# Altium PCB MKontr.PcbDoc (part 3 of 3)
Units mm, origin at the board's own origin, x right, y up, seen from the top; angles counter-clockwise.
Board outline 160 x 125 mm, 2 copper layers (Top Layer, Bottom Layer), stack 1.571 mm thick; 243 components, 241 nets, 966 pads, 239 vias.
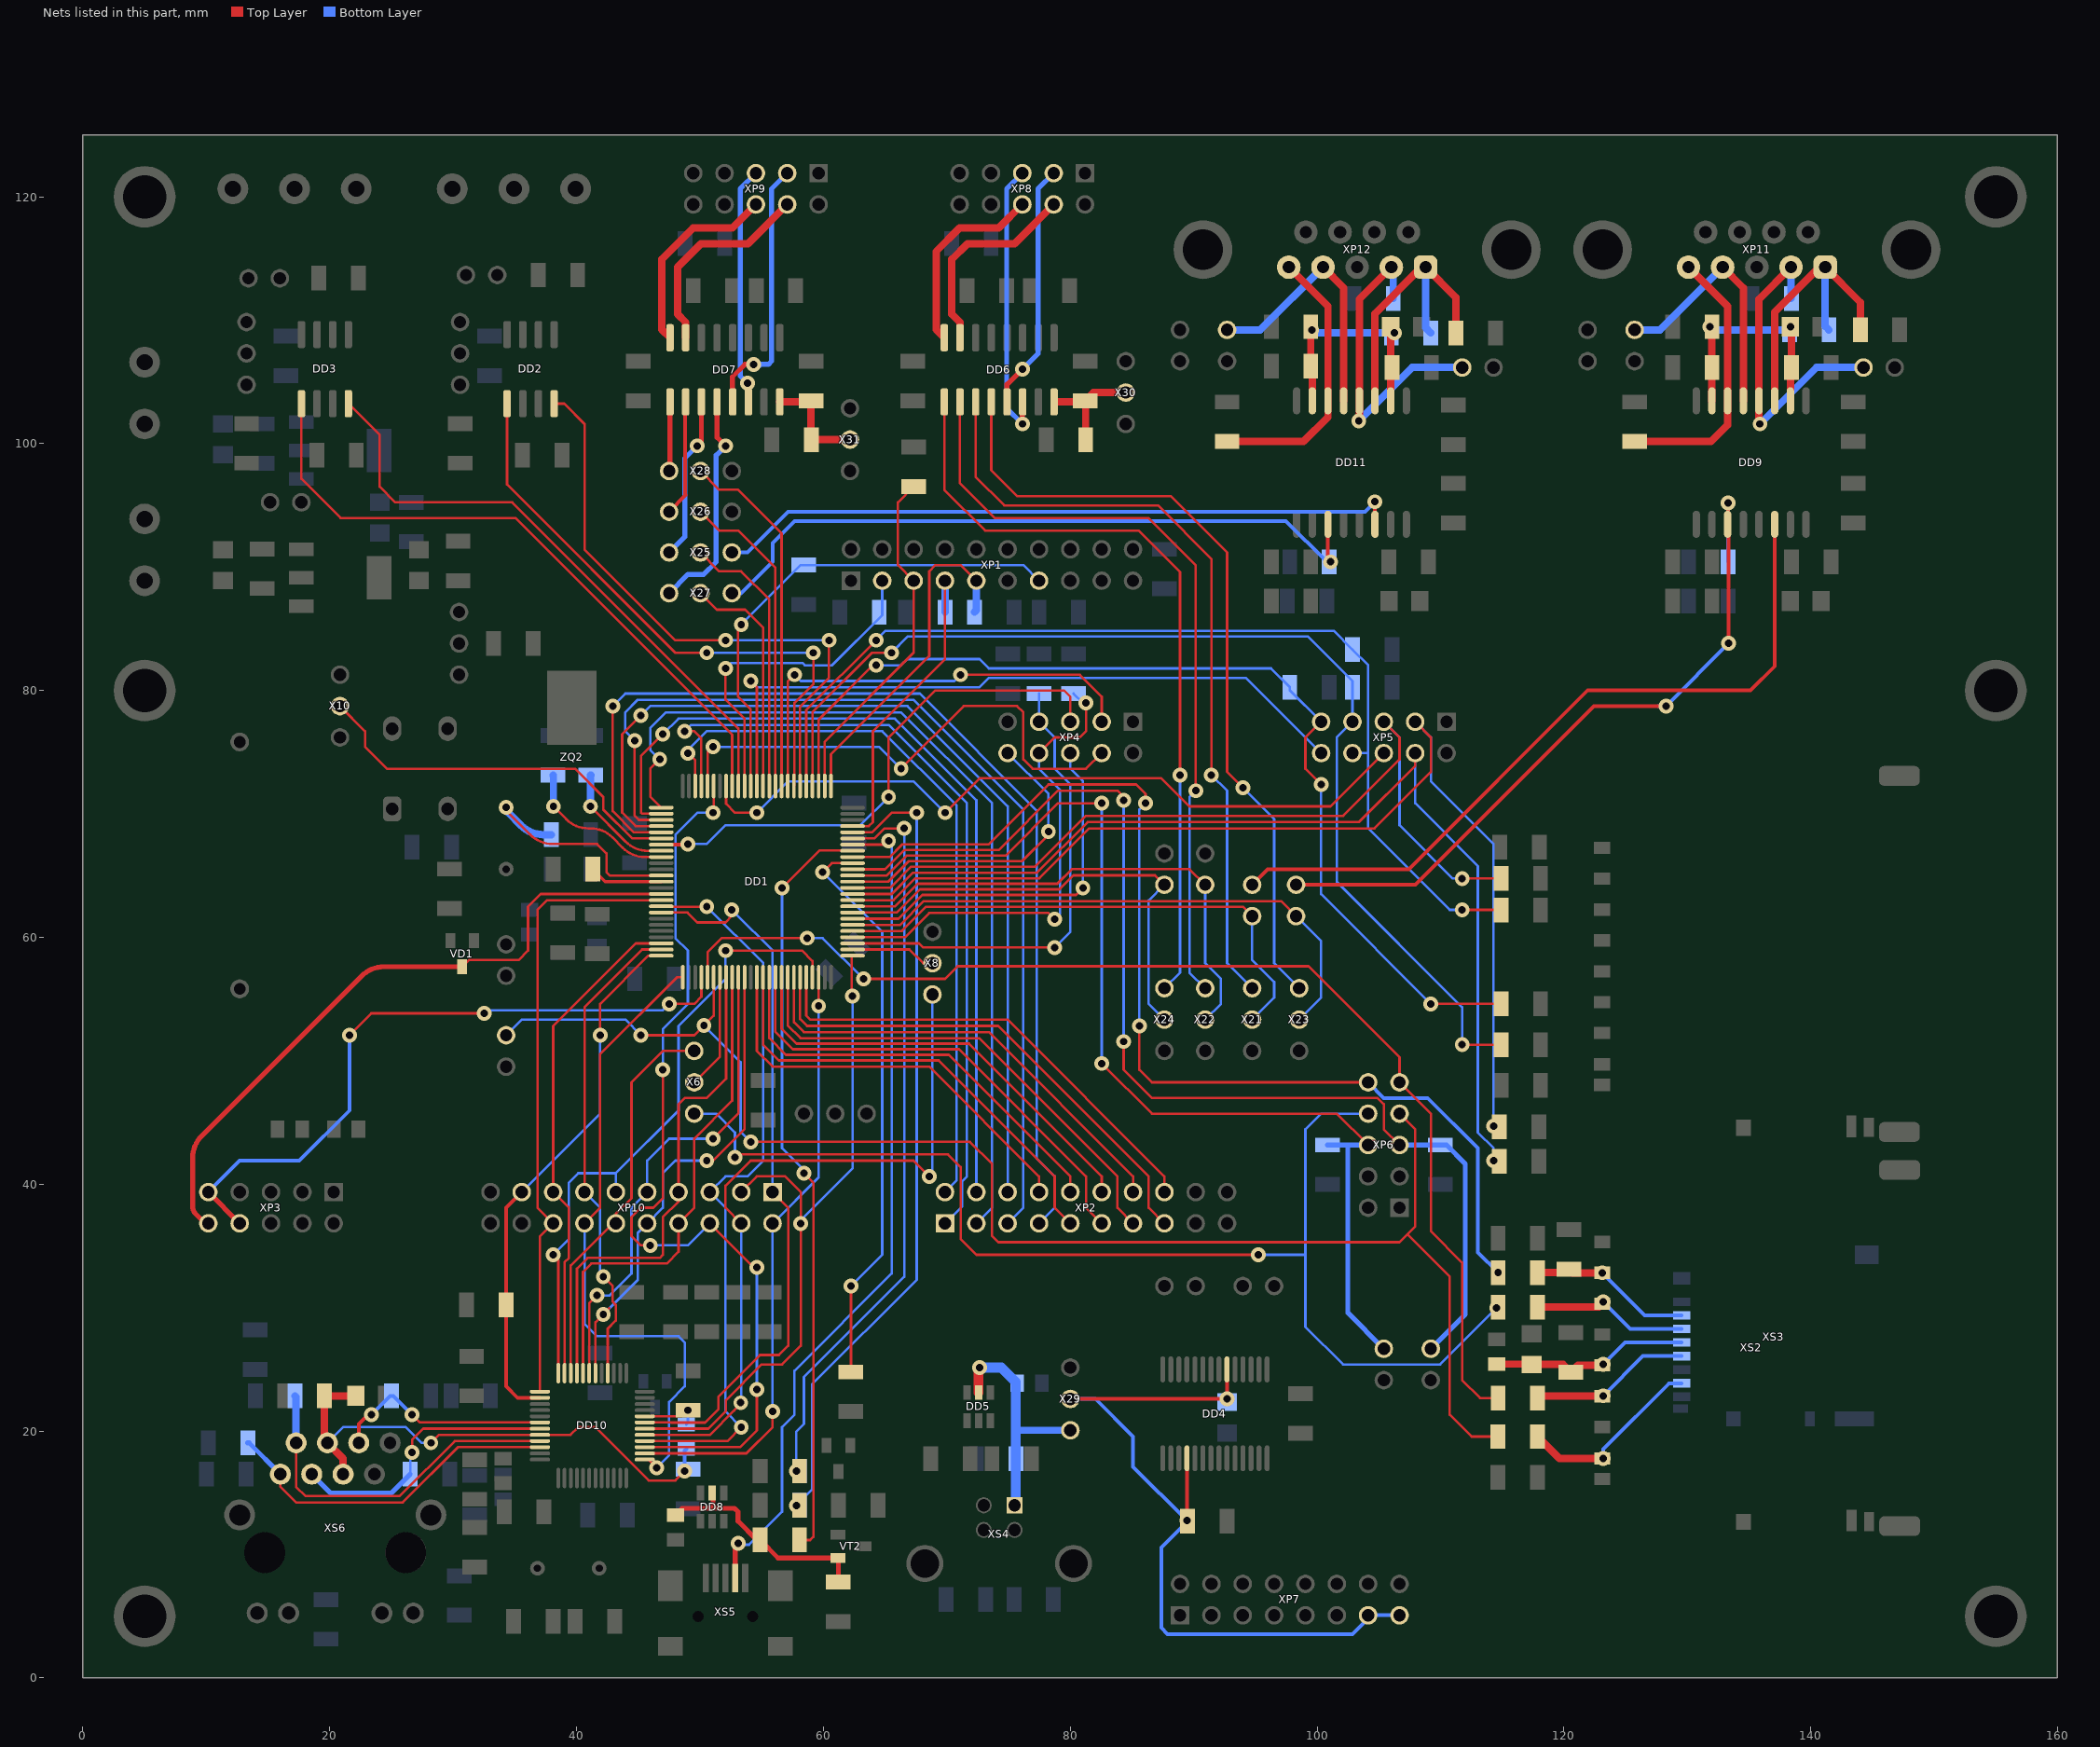
[diagram p3: the nets of this part, all layers, seen from the top]

## Via types
v1: diameter 1.2, hole 0.6, Top Layer to Bottom Layer, 239 vias

## Nets (pads, with @x,y where several pads share a name; then routed paths per layer and width w, separated by ;. In a path a pad name is that pad's centre, name@x,y a point inside that pad or via, vN(x,y) a via of type N, cw(c..) or ccw(c..) an arc to the next point about the centre after c; other vN are vias at no path point) (continued)
OS32_IN: C15.1 DD1.8 ZQ2.1 | length 9.7
  Top Layer w0.2: ZQ2.1@41.124,70.612 43.976,67.76 ccw(c45.772,69.556) 45.772,67.016 DD1.8@46.86,67.016
  Bottom Layer w0.6: ZQ2.1@41.124,70.612 41.124,73.094 cw(c41.206,73.094) C15.1@41.148,73.152
OS32_OUT: C16.1 DD1.9 ZQ2.2 | length 12.7
  Top Layer w0.2: ZQ2.2@38.124,70.612 39.158,69.578 ccw(c40.954,71.374) 40.954,68.834 41.148,68.834 cw(c41.148,66.381) 42.882,68.116 43.738,67.26 ccw(c45.534,69.056) 45.534,66.516 DD1.9@46.86,66.516
  Bottom Layer w0.6: C16.1@38.1,73.152 cw(c38.042,73.094) 38.124,73.094 ZQ2.2@38.124,70.612
OSC_IN: C9.2 DD1.12 ZQ1.2 | length 20.3
  Top Layer w0.2: ZQ1.2@34.29,70.532 ccw(c34.903,70.532) 34.47,70.098 36.26,68.308 ccw(c38.056,70.104) 38.056,67.564 41.656,67.564 42.418,66.802 42.418,65.278 42.68,65.016 DD1.12@46.86,65.016
  Bottom Layer w0.6: ZQ1.2@34.29,70.532 ccw(c34.903,70.532) 34.47,70.098 35.498,69.07 ccw(c37.294,70.866) 37.294,68.326 C9.2@37.948,68.326
OSC_OUT: DD1.13 R9.2 | length 6
  Top Layer w0.3: R9.2@41.3,65.532 42.316,64.516 DD1.13@46.86,64.516
PA0: DD1.23 DD10.23 XP10.15 | length 40.3
  Top Layer w0.2: DD10.23@39.025,24.697 39.025,33.691 39.37,34.036 39.37,38.1 XP10.15@38.1,39.37 38.1,52.832 44.784,59.516 DD1.23@46.86,59.516
PA1: DD1.24 DD10.16 XP10.13 | length 39.1
  Top Layer w0.2: XP10.13@40.64,39.37 40.64,42.418 40.64,54.356 45.3,59.016 DD1.24@46.86,59.016 ; v1(42.164,32.512) 42.926,31.75 42.926,30.48 43.18,30.226 43.18,28.956 42.525,28.301 DD10.16@42.525,24.697
  Bottom Layer w0.2: XP10.13@40.64,39.37 41.91,38.1 41.91,33.02 42.164,32.766 v1(42.164,32.512)
PA2: DD1.25 DD10.26 R72.1 XP10.17 | length 43.8
  Top Layer w0.2: v1(41.91,52.07) 41.91,54.61 45.816,58.516 DD1.25@46.86,58.516
  Top Layer w0.3: XP10.17@35.56,39.37 34.29,38.1 R72.1@34.29,30.226 34.29,23.622 35.215,22.697 DD10.26@37.025,22.697
  Bottom Layer w0.2: XP10.17@35.56,39.37 41.91,45.72 v1(41.91,52.07)
PA3: DD1.26 DD10.1 XP10.14 | length 52.8
  Top Layer w0.2: XP10.14@40.64,36.83 41.91,38.1 41.91,50.546 48.13,56.766 DD1.26@48.61,56.766 ; DD10.1@45.525,17.697 45.803,17.697 v1(46.482,17.018)
  Bottom Layer w0.2: XP10.14@40.64,36.83 40.64,28.702 41.656,27.686 48.26,27.686 48.768,27.178 48.768,23.622 47.498,22.352 47.498,18.034 v1(46.482,17.018)
PA4: DD1.29 XP3.8 XP3.9 | length 55.2
  Top Layer w0.2: v1(21.59,52.07) 23.368,53.848 v1(32.512,53.848) ; v1(47.498,54.61) 49.53,54.61 50.11,55.19 DD1.29@50.11,56.766
  Top Layer w0.4: XP3.9@10.16,39.37 XP3.8@12.7,36.83
  Bottom Layer w0.2: v1(32.512,53.848) 32.766,54.102 46.99,54.102 v1(47.498,54.61)
  Bottom Layer w0.3: XP3.9@10.16,39.37 12.7,41.91 17.526,41.91 21.59,45.974 v1(21.59,52.07)
PA5: DD1.30 R31.2 XP6.9 | length 95.2
  Top Layer w0.2: DD1.30@50.61,56.766 50.61,58.812 51.742,59.944 v1(58.674,59.944) ; v1(63.246,56.642) 69.85,56.642 70.866,57.658 99.314,57.658 106.68,50.292 XP6.9@106.68,48.26 109.22,45.72 109.22,36.195 111.76,33.655 111.76,24.13 113.205,22.685 R31.2@114.672,22.685
  Bottom Layer w0.2: v1(58.674,59.944) 59.944,59.944 v1(63.246,56.642)
PA6: DD1.31 R32.2 X3.1 XP6.7 | length 124.1
  Top Layer w0.2: v1(45.212,52.07) 49.53,52.07 v1(50.32,52.86) 51.11,53.65 DD1.31@51.11,56.766 ; v1(54.102,43.434) 71.882,43.434 73.66,41.656 73.66,35.814 74.168,35.306 106.68,35.306 107.315,35.941 ; XP6.7@106.68,45.72 107.95,44.45 107.95,36.576 107.315,35.941 ; R32.2@114.656,19.558 112.522,19.558 110.744,21.336 110.744,32.512 107.315,35.941
  Bottom Layer w0.2: X3.1@34.29,52.07 35.56,53.34 43.942,53.34 v1(45.212,52.07) ; v1(50.32,52.86) 53.282,49.898 53.282,44.254 v1(54.102,43.434)
PA7: DD1.32 X6.2 | length 9.4
  Top Layer w0.2: X6.2@49.53,48.26 51.61,50.34 DD1.32@51.61,56.766
PA7_: R30.2 X6.1 XP6.8 | length 99.3
  Top Layer w0.2: v1(52.832,42.164) 53.086,42.418 70.104,42.418 71.12,41.402 71.12,35.56 72.39,34.29 v1(95.25,34.29)
  Bottom Layer w0.2: X6.1@49.53,45.72 51.308,45.72 52.832,44.196 v1(52.832,42.164) ; v1(95.25,34.29) 99.06,34.29 ; XP6.8@104.14,45.72 100.33,45.72 99.06,44.45 99.06,34.29 ; v1(114.554,29.972) 109.982,25.4 102.108,25.4 99.06,28.448 99.06,34.29
PA8: DD1.67 R29.2 XP6.10 | length 89.9
  Top Layer w0.2: DD1.67@62.36,66.516 65.358,66.516 66.37,67.528 73.37,67.528 78.232,72.39 85.344,72.39 86.106,71.628 v1(86.106,70.866) ; v1(85.598,52.832) 85.598,49.276 86.614,48.26 XP6.10@104.14,48.26
  Bottom Layer w0.2: v1(85.598,52.832) 85.598,70.358 v1(86.106,70.866)
  Bottom Layer w0.3: XP6.10@104.14,48.26 105.41,46.99 108.966,46.99 113.03,42.926 113.03,34.487 v1(114.672,32.845)
PA9: DD1.68 R47.2 | length 61.9
  Top Layer w0.2: v1(56.642,64.008) 59.69,67.056 62.32,67.056 DD1.68@62.36,67.016 ; R47.2@58.064,11.176 58.928,11.176 59.182,11.43 59.182,40.132 v1(58.42,40.894)
  Bottom Layer w0.2: v1(56.642,64.008) 56.642,42.926 58.42,41.148 v1(58.42,40.894)
PA10: DD1.69 XS5.4 | length 69.7
  Top Layer w0.2: DD1.69@62.36,67.516 64.976,67.516 v1(65.278,67.818)
  Top Layer w0.4: XS5.4@52.859,8.08 52.859,10.695 v1(53.086,10.922)
  Bottom Layer w0.2: v1@52.782,10.8 v1@53,10.8 ; v1@52.873,10.709 53,10.582 v1@53,10.8 ; v1(53.086,10.922) 53.022,10.922 53,10.9 v1@53,10.8 ; v1(65.278,67.818) 65.532,67.564 65.532,32.766 57.658,24.892 57.658,21.336 56.642,20.32 56.642,13.462 53.98,10.8 v1@53,10.8
PA11: C33.2 DD1.70 R44.2 | length 60.2
  Top Layer w0.2: DD1.70@62.36,68.016 64.133,68.016 64.95,68.834 v1(66.548,68.834)
  Bottom Layer w0.2: v1(57.81,16.764) 57.81,19.964 58.42,20.574 58.42,24.384 66.548,32.512 v1(66.548,68.834)
PA12: C32.2 DD1.71 R45.2 | length 66.5
  Top Layer w0.2: DD1.71@62.36,68.516 63.944,68.516 65.532,70.104 v1(67.564,70.104)
  Bottom Layer w0.2: v1(57.81,13.97) 59.08,15.24 59.08,23.774 67.564,32.258 v1(67.564,70.104) v1@67.056,70.104
PA13: DD1.72 R5.1 XP1.7 | length 26.3
  Top Layer w0.2: DD1.72@62.36,69.016 63.682,69.016 64.008,69.342 64.008,76.708 69.85,82.55 XP1.7@69.85,88.9
  Bottom Layer w0.6: R5.1@69.85,86.36 XP1.7@69.85,88.9
PA14: DD1.76 R6.2 XP1.9 | length 27.8
  Top Layer w0.2: DD1.76@60.61,72.266 60.61,74.834 68.58,82.804 68.58,89.662 69.088,90.17 71.12,90.17 XP1.9@72.39,88.9
  Bottom Layer w0.6: R6.2@72.238,86.36 72.39,86.512 XP1.9@72.39,88.9
PA15: DD1.77 R3.1 XP1.5 | length 28.3
  Top Layer w0.2: DD1.77@60.11,72.266 60.11,75.858 67.31,83.058 XP1.5@67.31,88.9 66.04,90.17 66.04,95.25 R3.1@67.31,96.52
PB0: DD1.35 DD10.19 XP10.9 | length 40.3
  Top Layer w0.2: DD10.19@41.025,24.697 41.025,30.357 v1(41.656,30.988) v1@41.656,30.734 ; v1(51.054,43.688) 53.11,45.744 DD1.35@53.11,56.766
  Bottom Layer w0.2: v1@41.656,30.734 v1(41.656,30.988) 42.672,30.988 44.45,32.766 44.45,38.1 XP10.9@45.72,39.37 45.72,41.91 47.498,43.688 v1(51.054,43.688)
PB1: DD1.36 DD10.18 XP10.10 | length 39.5
  Top Layer w0.2: DD10.18@41.525,24.697 41.525,28.825 v1(42.164,29.464) 42.65,29.95 ; v1(50.546,41.91) 51.054,41.91 53.61,44.466 DD1.36@53.61,56.766
  Bottom Layer w0.2: v1(42.164,29.464) 44.958,32.258 44.958,36.068 XP10.10@45.72,36.83 46.99,38.1 46.99,40.894 48.006,41.91 v1(50.546,41.91)
PB3: DD1.89 R7.1 XP1.13 | length 40.3
  Top Layer w0.2: v1(53.34,85.344) 53.086,85.09 53.086,79.502 54.11,78.478 DD1.89@54.11,72.266
  Bottom Layer w0.2: v1(53.34,85.344) 58.166,90.17 R7.1@58.42,90.17 76.2,90.17 XP1.13@77.47,88.9
PB4: DD1.90 R1.1 XP1.3 | length 27.6
  Top Layer w0.2: v1(52.07,81.788) 52.07,79.248 53.61,77.708 DD1.90@53.61,72.266
  Bottom Layer w0.2: v1(52.07,81.788) 52.512,82.23 58.306,82.23 58.494,82.042 60.706,82.042 64.77,86.106 XP1.3@64.77,88.9
PB5: DD1.91 DD3.4 | length 49.6
  Top Layer w0.2: DD3.4@21.51,103.245 24.05,100.705 24.05,96.52 25.32,95.25 34.798,95.25 53.11,76.938 DD1.91@53.11,72.266
PB6: DD1.92 DD3.1 | length 53.7
  Top Layer w0.2: DD3.1@17.7,103.245 17.7,97.155 20.875,93.98 35.052,93.98 52.61,76.422 DD1.92@52.61,72.266
PB7: DD1.93 XP5.6 | length 61
  Top Layer w0.2: DD1.93@52.11,72.266 52.11,70.826 52.832,70.104 v1(54.61,70.104) ; v1(69.85,70.104) 72.644,72.898 87.376,72.898 89.662,70.612 101.092,70.612 XP5.6@105.41,74.93
  Bottom Layer w0.2: v1(54.61,70.104) 57.15,72.644 67.31,72.644 v1(69.85,70.104)
PB8: DD1.95 DD10.3 XP10.6 | length 76.9
  Top Layer w0.2: DD10.3@45.525,18.697 53.241,18.697 54.61,20.066 v1(54.61,23.368) ; v1(45.974,35.052) 45.212,35.052 44.45,35.814 44.45,37.338 45.212,38.1 46.228,38.1 46.99,38.862 v1(46.99,49.276) ; XP10.6@50.8,36.83 54.356,33.274 v1(54.61,33.274) ; v1(51.054,70.104) 51.11,70.16 DD1.95@51.11,72.266
  Bottom Layer w0.2: v1(45.974,35.052) 49.022,35.052 XP10.6@50.8,36.83 ; v1(46.99,49.276) 46.99,52.578 49.022,54.61 49.022,58.928 48.006,59.944 48.006,68.326 49.784,70.104 v1(51.054,70.104) ; v1(54.61,23.368) v1(54.61,33.274)
PB9: DD1.96 XP4.4 | length 42.6
  Top Layer w0.2: DD1.96@50.61,72.266 50.61,74.994 v1(51.054,75.438) ; v1(66.294,73.66) 71.374,78.74 75.692,78.74 76.2,78.232 76.2,74.422 76.962,73.66 81.28,73.66 XP4.4@82.55,74.93
  Bottom Layer w0.2: v1(51.054,75.438) 64.516,75.438 v1(66.294,73.66)
PB10: DD1.47 DD10.24 XP10.11 | length 51.5
  Top Layer w0.2: v1(38.1,34.29) 38.525,33.865 DD10.24@38.525,24.697 ; v1(52.07,58.928) 58.272,58.928 59.11,58.09 DD1.47@59.11,56.766
  Bottom Layer w0.2: v1(38.1,34.29) 39.37,35.56 39.37,40.132 40.132,40.894 43.18,40.894 ; 43.18,40.132 43.18,40.894 ; v1(52.07,58.928) 52.07,56.642 48.26,52.832 48.26,45.974 43.18,40.894
PB11: DD1.48 DD10.2 XP10.2 | length 50.4
  Top Layer w0.2: DD10.2@45.525,18.197 53.757,18.197 55.88,20.32 v1(55.88,21.59) ; v1(59.61,54.436) DD1.48@59.61,56.766
  Bottom Layer w0.2: v1(55.88,21.59) XP10.2@55.88,36.83 59.61,40.56 59.61,55.038 v1(59.61,54.436)
PB12: DD1.51 DD10.6 XP10.3 | length 57.7
  Top Layer w0.2: DD10.6@45.525,20.197 50.677,20.197 52.1,21.62 52.1,22.508 54.992,25.4 56.642,25.4 58.166,26.924 v1(58.166,36.83) 58.166,39.37 56.896,40.64 54.61,40.64 XP10.3@53.34,39.37 ; v1(62.36,55.248) 62.296,55.312 62.296,58.452 DD1.51@62.36,58.516
  Bottom Layer w0.2: v1(58.166,36.83) 58.166,37.084 62.36,41.278 v1(62.36,55.248)
PB13: DD1.52 X8.2 | length 6.9
  Top Layer w0.2: DD1.52@62.36,59.016 66.968,59.016 68.072,57.912 X8.2@68.834,57.912
PB14: DD1.53 R12.1 XP4.7 | length 38.7
  Top Layer w0.2: DD1.53@62.36,59.516 67.738,59.516 68.072,59.182 v1(78.74,59.182)
  Bottom Layer w0.2: R12.1@77.47,79.756 XP4.7@77.47,77.47 78.74,76.2 78.74,73.66 80.01,72.39 80.01,60.452 v1(78.74,59.182)
PB14_: DD10.5 X8.1 XP10.4 | length 59.2
  Top Layer w0.2: DD10.5@45.525,19.697 50.813,19.697 52.774,21.658 52.774,21.674 v1@52.984,21.884 ; XP10.4@53.34,36.83 52.07,38.1 52.07,39.878 54.102,41.91 67.31,41.91 v1(68.58,40.64)
  Bottom Layer w0.2: v1(53.3,22.3) 53.34,22.34 XP10.4@53.34,36.83 ; v1(68.58,40.64) 68.834,40.894 X8.1@68.834,55.372
PB15: DD1.54 R14.1 XP4.8 | length 39.9
  Top Layer w0.2: DD1.54@62.36,60.016 66.62,60.016 68.58,61.976 78.232,61.976 v1(78.74,61.468) ; XP4.8@77.47,74.93 78.74,76.2 80.772,76.2 81.28,76.708 v1(81.28,78.994)
  Bottom Layer w0.2: XP4.8@77.47,74.93 77.47,73.66 79.182,71.948 79.182,61.91 v1(78.74,61.468) ; R14.1@80.264,79.756 81.026,78.994 v1(81.28,78.994)
PC0: DD1.15 VD1.3 XP3.10 | length 55.2
  Top Layer w0.2: VD1.3@30.734,57.624 31.276,58.166 35.306,58.166 36.068,58.928 36.068,62.484 37.1,63.516 DD1.15@46.86,63.516
  Top Layer w0.4: XP3.10@10.16,36.83 cw(c10.16,37.443) 9.726,37.01 9.144,37.592 cw(c9.757,38.205) 8.89,38.205 8.89,42.128 cw(c11.43,42.128) 9.634,43.924 22.59,56.88 cw(c24.386,55.084) 24.386,57.624 VD1.3@30.734,57.624
PC1: DD1.16 DD10.25 XP10.16 | length 50.4
  Top Layer w0.2: DD10.25@37.025,23.197 37.025,35.755 XP10.16@38.1,36.83 36.83,38.1 36.83,62.23 37.616,63.016 DD1.16@46.86,63.016
PC2: DD1.17 DD10.4 XP10.5 | length 59.9
  Top Layer w0.2: DD10.4@45.525,19.197 52.217,19.197 v1(53.34,20.32) ; DD1.17@46.86,62.516 46.892,62.484 v1(50.546,62.484)
  Bottom Layer w0.2: v1(50.546,62.484) 55.118,57.912 55.118,41.91 53.848,40.64 52.07,40.64 XP10.5@50.8,39.37 52.07,38.1 52.07,21.59 v1(53.34,20.32)
PC3: DD1.18 DD10.7 XP10.1 | length 59.3
  Top Layer w0.2: DD10.7@45.525,20.697 47.672,20.697 47.672,20.693 50.411,20.693 51.5,21.782 51.5,22.798 54.864,26.162 56.388,26.162 57.15,26.924 57.15,38.1 XP10.1@55.88,39.37 ; DD1.18@46.86,62.016 48.982,62.016 49.784,61.214 52.07,61.214 52.578,61.722 v1(52.578,62.23)
  Bottom Layer w0.2: v1(52.578,62.23) 52.578,61.722 52.832,61.976 55.88,58.928 XP10.1@55.88,39.37
PC4: DD1.33 DD10.21 XP10.7 | length 41.5
  Top Layer w0.2: DD10.21@40.025,24.697 40.025,33.167 40.894,34.036 46.736,34.036 46.99,34.29 46.99,37.338 48.26,38.608 XP10.7@48.26,39.37 48.26,46.482 48.768,46.99 50.546,46.99 52.11,48.554 DD1.33@52.11,56.766
PC5: DD1.34 DD10.20 XP10.8 | length 40.6
  Top Layer w0.2: DD10.20@40.525,24.697 40.525,32.905 41.206,33.586 47.302,33.586 48.26,34.544 XP10.8@48.26,36.83 49.53,38.1 49.53,43.688 52.61,46.768 DD1.34@52.61,56.766
PC6: DD1.63 XP4.10 | length 25.4
  Top Layer w0.2: DD1.63@62.36,64.516 65.267,64.516 66.929,66.178 76.084,66.178 78.232,68.326 v1(78.232,68.58)
  Bottom Layer w0.2: XP4.10@74.93,74.93 78.232,71.628 v1(78.232,68.58)
PC7: DD1.64 R27.1 X11.1 XP6.6 | length 89
  Top Layer w0.2: DD1.64@62.36,65.016 65.13,65.016 66.742,66.628 74.756,66.628 78.994,70.866 v1(82.55,70.866) ; v1(82.55,49.784) 86.614,45.72 101.6,45.72 XP6.6@104.14,43.18
  Bottom Layer w0.2: v1(82.55,49.784) v1(82.55,70.866)
  Bottom Layer w0.4: R27.1@100.838,43.18 102.489,43.18 ; XP6.6@104.14,43.18 102.489,43.18 ; X11.1@105.41,26.67 102.489,29.591 102.489,43.18
PC8: DD1.65 R28.1 X12.1 XP6.5 | length 95.1
  Top Layer w0.2: DD1.65@62.36,65.516 64.994,65.516 66.556,67.078 74.19,67.078 78.994,71.882 83.82,71.882 84.328,71.374 v1(84.328,71.12) ; v1(84.328,51.562) 84.328,49.276 86.614,46.99 104.902,46.99 105.41,46.482 105.41,44.45 XP6.5@106.68,43.18
  Bottom Layer w0.2: v1(84.328,51.562) v1(84.328,71.12)
  Bottom Layer w0.4: XP6.5@106.68,43.18 R28.1@109.982,43.18 110.49,43.18 112.014,41.656 112.014,29.464 X12.1@109.22,26.67
PC9: DD1.66 R43.2 | length 46.3
  Top Layer w0.2: v1(59.944,65.278) 60.682,66.016 DD1.66@62.36,66.016 ; R43.2@62.23,24.79 v1(62.23,31.75)
  Bottom Layer w0.2: v1(59.944,65.278) 64.77,60.452 64.77,34.29 v1(62.23,31.75)
PC10: DD1.78 R18.1 R19.2 XP5.9 | length 83.7
  Top Layer w0.2: DD1.78@59.61,72.266 59.61,77.644 64.008,82.042 v1(64.262,82.042) ; v1(100.33,72.39) 99.06,73.66 99.06,76.2 XP5.9@100.33,77.47 ; v1(109.22,54.61) R19.2@114.91,54.61
  Bottom Layer w0.2: v1(64.262,82.042) 66.294,82.042 66.802,82.55 72.644,82.55 73.406,81.788 96.266,81.788 R18.1@97.79,80.264 97.79,80.01 XP5.9@100.33,77.47 ; v1(100.33,72.39) 100.33,63.5 v1(109.22,54.61)
PC11: DD1.79 R16.1 R23.2 XP5.7 | length 91.1
  Top Layer w0.2: DD1.79@59.11,72.266 59.11,78.234 63.934,83.058 v1(65.532,83.058) ; v1(111.76,51.308) R23.2@114.91,51.308
  Bottom Layer w0.2: v1(65.532,83.058) 66.86,84.386 99.256,84.386 102.87,80.772 R16.1@102.87,80.264 XP5.7@102.87,77.47 101.6,76.2 101.6,64.516 111.76,54.356 v1(111.76,51.308)
PC12: DD1.80 R17.1 R22.2 XP5.8 | length 83.5
  Top Layer w0.2: DD1.80@58.61,72.266 58.61,78.422 v1(64.262,84.074) ; v1(111.76,62.23) R22.2@114.91,62.23
  Bottom Layer w0.2: v1(64.262,84.074) 65.024,84.836 101.346,84.836 R17.1@102.87,83.312 104.14,82.042 104.14,74.93 ; XP5.8@102.87,74.93 104.14,74.93 ; v1(111.76,62.23) 110.744,62.23 104.14,68.834 104.14,74.93
PC13: DD1.7 XP4.5 | length 43.4
  Top Layer w0.2: v1(65.278,71.374) 65.278,76.2 69.088,80.01 79.502,80.01 80.01,79.502 XP4.5@80.01,77.47
  Top Layer w0.3: DD1.7@46.86,67.516 48.974,67.516 v1(49.022,67.564)
  Bottom Layer w0.2: v1(49.022,67.564) 50.546,67.564 52.07,69.088 62.992,69.088 v1(65.278,71.374)
PD0: DD1.81 DD2.4 | length 48.9
  Top Layer w0.2: DD2.4@38.18,103.245 38.995,103.245 40.64,101.6 40.64,91.44 48.006,84.074 v1(52.07,84.074) ; DD1.81@58.11,72.266 58.11,78.684 60.452,81.026 v1(60.452,84.074)
  Bottom Layer w0.2: v1(52.07,84.074) v1(60.452,84.074)
PD1: DD1.82 DD2.1 | length 48.5
  Top Layer w0.2: DD2.1@34.37,103.245 34.37,96.694 48.006,83.058 v1(50.546,83.058) ; DD1.82@57.61,72.266 57.658,72.314 57.658,78.994 59.182,80.518 v1(59.182,83.058)
  Bottom Layer w0.2: v1(50.546,83.058) v1(59.182,83.058)
PD2: DD1.83 XP4.3 | length 37.3
  Top Layer w0.2: DD1.83@57.11,72.266 57.11,80.732 v1(57.658,81.28) ; v1(71.12,81.28) 80.772,81.28 82.55,79.502 XP4.3@82.55,77.47
  Bottom Layer w0.2: v1(57.658,81.28) 58.166,80.772 70.612,80.772 v1(71.12,81.28)
PD3: DD1.84 X28.2 | length 29.1
  Top Layer w0.2: X28.2@50.038,97.79 51.562,96.266 53.086,96.266 56.61,92.742 DD1.84@56.61,72.266
PD4: DD1.85 X26.2 | length 25.6
  Top Layer w0.2: X26.2@50.038,94.488 51.562,92.964 53.086,92.964 56.11,89.94 DD1.85@56.11,72.266
PD5: DD1.86 X25.2 | length 22.3
  Top Layer w0.2: X25.2@50.038,91.186 51.562,89.662 53.34,89.662 55.61,87.392 DD1.86@55.61,72.266
PD6: DD1.87 X27.2 | length 19.1
  Top Layer w0.2: X27.2@50.038,87.884 51.374,86.548 53.66,86.548 55.11,85.098 DD1.87@55.11,72.266
PD7: DD1.88 XP5.10 | length 58
  Top Layer w0.2: v1(54.102,80.772) 54.61,80.264 DD1.88@54.61,72.266
  Bottom Layer w0.2: v1(54.102,80.772) 54.61,80.264 72.644,80.264 73.406,81.026 94.234,81.026 XP5.10@100.33,74.93
PD8: DD1.55 X17.2 X21.2 | length 43.4
  Top Layer w0.2: DD1.55@62.36,60.516 66.358,60.516 68.326,62.484 93.98,62.484 X17.2@94.742,61.722
  Bottom Layer w0.2: X21.2@94.742,53.34 96.52,55.118 96.52,56.388 94.742,58.166 X17.2@94.742,61.722
PD9: DD1.56 X19.2 X23.2 | length 47.2
  Top Layer w0.2: DD1.56@62.36,61.016 66.222,61.016 68.14,62.934 97.086,62.934 X19.2@98.298,61.722
  Bottom Layer w0.2: X19.2@98.298,61.722 100.33,59.69 100.33,55.118 X23.2@98.552,53.34
PD10: DD1.57 XP4.6 | length 31
  Top Layer w0.2: DD1.57@62.36,61.516 66.085,61.516 68.011,63.442 80.46,63.442 v1(81.026,64.008)
  Bottom Layer w0.2: XP4.6@80.01,74.93 80.01,73.66 81.026,72.644 v1(81.026,64.008)
PD11: DD1.58 X20.2 X24.2 | length 38.8
  Top Layer w0.2: DD1.58@62.36,62.016 65.949,62.016 67.825,63.892 79.132,63.892 80.264,65.024 86.868,65.024 X20.2@87.63,64.262
  Bottom Layer w0.2: X24.2@87.63,53.34 86.36,54.61 86.36,62.992 X20.2@87.63,64.262
PD12: DD1.59 X18.2 X22.2 | length 42.3
  Top Layer w0.2: DD1.59@62.36,62.516 65.812,62.516 67.638,64.342 78.946,64.342 80.136,65.532 89.662,65.532 X18.2@90.932,64.262
  Bottom Layer w0.2: X22.2@90.932,53.34 92.202,54.61 92.202,56.642 90.932,57.912 X18.2@90.932,64.262
PD13: DD1.60 R24.2 XP5.3 | length 91.1
  Top Layer w0.2: DD1.60@62.36,63.016 65.676,63.016 67.452,64.792 77.492,64.792 81.534,68.834 104.648,68.834 109.22,73.406 109.22,76.2 XP5.3@107.95,77.47
  Bottom Layer w0.2: XP5.3@107.95,77.47 109.22,76.2 109.22,72.644 114.3,67.564 v1(114.3,44.704)
PD14: DD1.61 R25.2 XP5.4 | length 87.2
  Top Layer w0.2: DD1.61@62.36,63.516 65.54,63.516 67.266,65.242 77.306,65.242 81.406,69.342 103.378,69.342 107.95,73.914 XP5.4@107.95,74.93 ; v1(114.3,41.91) 114.833,41.91 R25.2@114.768,41.845
  Bottom Layer w0.2: XP5.4@107.95,74.93 107.95,70.866 113.03,65.786 113.03,44.196 114.3,42.926 v1(114.3,41.91)
PD15: DD1.62 R21.2 XP5.5 | length 71.1
  Top Layer w0.2: DD1.62@62.36,64.016 65.403,64.016 67.115,65.728 77.155,65.728 81.277,69.85 102.108,69.85 106.68,74.422 106.68,76.2 XP5.5@105.41,77.47 ; v1(111.76,64.77) R21.2@114.91,64.77
  Bottom Layer w0.2: XP5.5@105.41,77.47 106.68,76.2 106.68,69.088 110.998,64.77 v1(111.76,64.77)
PE0: DD1.97 XP2.1 | length 65.9
  Top Layer w0.2: v1(48.768,76.708) 49.53,76.708 50.104,76.134 50.104,72.272 DD1.97@50.11,72.266
  Bottom Layer w0.2: v1(48.768,76.708) 49.276,77.216 65.278,77.216 71.628,70.866 71.628,40.64 71.25,40.262 71.25,38.23 XP2.1@69.85,36.83
PE1: DD1.98 XP2.2 | length 59.8
  Top Layer w0.2: v1(49.022,74.93) 49.61,74.342 DD1.98@49.61,72.266
  Bottom Layer w0.2: v1(49.022,74.93) 49.022,75.184 50.546,76.708 64.77,76.708 70.8,70.678 70.8,40.32 XP2.2@69.85,39.37
PE2: DD1.1 XP2.3 | length 73.3
  Top Layer w0.2: v1(46.736,74.422) 45.974,73.66 45.974,71.402 DD1.1@46.86,70.516
  Bottom Layer w0.2: v1(46.736,74.422) 45.974,75.184 45.974,76.962 47.244,78.232 66.294,78.232 73.66,70.866 73.66,38.1 XP2.3@72.39,36.83
PE3: DD1.2 XP2.4 | length 69.2
  Top Layer w0.2: DD1.2@46.86,70.016 45.3,70.016 45.212,70.104 45.212,74.676 v1(46.99,76.454)
  Bottom Layer w0.2: v1(46.99,76.454) 48.26,77.724 65.786,77.724 72.39,71.12 XP2.4@72.39,39.37
PE4: DD1.3 XP2.5 | length 81.4
  Top Layer w0.2: v1(44.704,75.946) 44.704,69.85 45.038,69.516 DD1.3@46.86,69.516
  Bottom Layer w0.2: v1(44.704,75.946) 43.942,76.708 43.942,78.232 44.958,79.248 67.31,79.248 76.2,70.358 76.2,38.1 XP2.5@74.93,36.83
PE5: DD1.4 XP2.6 | length 76.8
  Top Layer w0.2: v1(45.212,77.978) 43.688,76.454 43.688,70.107 44.779,69.016 DD1.4@46.86,69.016
  Bottom Layer w0.2: v1(45.212,77.978) 45.974,78.74 66.802,78.74 74.93,70.612 XP2.6@74.93,39.37
PE6: DD1.5 XP2.7 | length 86.4
  Top Layer w0.2: v1(42.926,78.74) 42.926,70.232 44.642,68.516 DD1.5@46.86,68.516
  Bottom Layer w0.2: v1(42.926,78.74) 43.942,79.756 67.818,79.756 77.282,70.292 77.282,42.098 78.74,40.64 78.74,38.1 XP2.7@77.47,36.83
PE7: DD1.38 XP2.8 | length 34.3
  Top Layer w0.2: DD1.38@54.61,56.766 54.61,50.8 55.88,49.53 68.58,49.53 77.47,40.64 XP2.8@77.47,39.37
PE8: DD1.39 XP2.9 | length 37.8
  Top Layer w0.2: DD1.39@55.11,56.766 55.11,51.316 56.388,50.038 69.342,50.038 78.74,40.64 78.74,38.1 XP2.9@80.01,36.83
PE9: DD1.40 XP2.10 | length 35.2
  Top Layer w0.2: DD1.40@55.61,56.766 55.61,51.832 56.954,50.488 70.162,50.488 80.01,40.64 XP2.10@80.01,39.37
PE10: DD1.41 XP2.11 | length 38.8
  Top Layer w0.2: DD1.41@56.11,56.766 56.11,52.348 57.52,50.938 70.982,50.938 81.28,40.64 81.28,38.1 XP2.11@82.55,36.83
PE11: DD1.42 XP2.12 | length 36.3
  Top Layer w0.2: DD1.42@56.61,56.766 56.61,52.61 57.832,51.388 71.802,51.388 82.55,40.64 XP2.12@82.55,39.37
PE12: DD1.43 XP2.13 | length 40
  Top Layer w0.2: DD1.43@57.11,56.766 57.11,52.872 58.144,51.838 72.622,51.838 83.82,40.64 83.82,38.1 XP2.13@85.09,36.83
PE13: DD1.44 XP2.14 | length 37.6
  Top Layer w0.2: DD1.44@57.61,56.766 57.61,53.134 58.42,52.324 73.406,52.324 85.09,40.64 XP2.14@85.09,39.37
PE14: DD1.45 XP2.15 | length 41.2
  Top Layer w0.2: DD1.45@58.11,56.766 58.11,53.396 58.674,52.832 74.168,52.832 86.36,40.64 86.36,38.1 XP2.15@87.63,36.83
PE15: DD1.46 XP2.16 | length 38.8
  Top Layer w0.2: DD1.46@58.61,56.766 58.61,53.658 58.928,53.34 74.93,53.34 87.63,40.64 XP2.16@87.63,39.37
PWFBIN: C75.2 DD10.8 L9.2 | length 4.9
  Top Layer w0.2: DD10.8@45.525,21.197 48.527,21.197 v1(49.022,21.692)
  Bottom Layer w0.2: L9.2@48.895,20.542 49.022,20.669 v1(49.022,21.692)
PWFOUT: C62.1 C66.2 C81.1 DD10.32 L9.1 XS6.4 XS6.5 | length 44.5
  Top Layer w0.2: v1(28.194,19.05) 28.841,19.697 DD10.32@37.025,19.697 39.509,19.697 40.132,20.32 41.524,20.32 45.842,16.002 48.006,16.002 v1(48.768,16.764) v1@48.768,17.018
  Top Layer w0.6: XS6.5@21.082,16.51 21.082,17.78 XS6.4@19.812,19.05 19.558,19.304 C81.1@19.558,22.86 C62.1@22.098,22.86 C62.1@22.352,22.86
  Bottom Layer w0.2: XS6.4@19.812,19.05 21.082,20.32 26.162,20.32 27.432,19.05 v1(28.194,19.05)
  Bottom Layer w0.3: v1(48.768,16.764) 48.768,18.415 L9.1@48.895,18.542
RS_CTS1: DD6.8 XP8.6 | length 15.8
  Top Layer w0.6: DD6.8@69.795,108.585 69.135,109.245 69.135,115.57 71.04,117.475 74.215,117.475 XP8.6@76.12,119.38
RS_CTS2: DD7.8 XP9.6 | length 16.1
  Top Layer w0.6: DD7.8@47.57,108.585 46.91,109.245 46.91,114.935 49.45,117.475 52.625,117.475 XP9.6@54.53,119.38
RS_RTS1: DD6.7 XP8.4 | length 16.7
  Top Layer w0.6: DD6.7@71.065,108.585 71.065,109.83 70.405,110.49 70.405,114.935 71.675,116.205 75.485,116.205 XP8.4@78.66,119.38
RS_RTS2: DD7.7 XP9.4 | length 17
  Top Layer w0.6: DD7.7@48.84,108.585 48.84,109.83 48.18,110.49 48.18,114.3 50.085,116.205 53.895,116.205 XP9.4@57.07,119.38
RS_RXD1: DD6.13 XP8.3 | length 20.1
  Top Layer w0.4: DD6.13@74.875,103.385 74.875,104.8 v1(76.12,106.045)
  Bottom Layer w0.4: v1(76.12,106.045) 76.145,106.045 77.39,107.29 77.39,120.65 XP8.3@78.66,121.92
RS_RXD2: DD7.13 XP9.3 | length 22.6
  Top Layer w0.4: DD7.13@52.65,103.385 52.625,103.41 52.625,105.41 53.641,106.426 54.309,106.426 54.61,106.125 54.61,106.172 v1(54.356,106.426)
  Bottom Layer w0.4: v1(54.356,106.426) 54.61,106.172 54.61,106.133 54.903,106.426 55.546,106.426 55.8,106.68 55.8,120.65 XP9.3@57.07,121.92
RS_TXD1: DD6.14 XP8.5 | length 23.2
  Top Layer w0.4: v1(76.12,101.6) 76.12,103.36 DD6.14@76.145,103.385
  Bottom Layer w0.4: v1(76.12,101.6) 74.85,102.87 74.85,120.65 XP8.5@76.12,121.92
RS_TXD2: DD7.14 XP9.5 | length 19.3
  Top Layer w0.4: v1(53.848,104.902) 53.848,103.407 DD7.14@53.895,103.36
  Bottom Layer w0.4: v1(53.848,104.902) 53.26,105.49 53.26,120.65 XP9.5@54.53,121.92
RX1+: DD9.14 R50.2 XP11.5 | length 22.2
  Top Layer w0.6: R50.2@125.73,100.178 131.928,100.178 133.27,101.52 DD9.14@133.27,103.472 133.27,111.125 XP11.5@130.095,114.3
RX1-: DD9.13 X32.1 XP11.4 | length 20.8
  Top Layer w0.6: XP11.4@132.865,114.3 134.54,112.625 DD9.13@134.54,103.472
  Bottom Layer w0.6: X32.1@125.73,109.22 127.785,109.22 XP11.4@132.865,114.3
RX2+: DD11.14 R68.2 XP12.5 | length 22.5
  Top Layer w0.6: R68.2@92.71,100.178 98.908,100.178 100.885,102.155 DD11.14@100.885,103.472 100.885,111.125 XP12.5@97.71,114.3
RX2-: DD11.13 X34.1 XP12.4 | length 21.4
  Top Layer w0.6: XP12.4@100.48,114.3 102.155,112.625 DD11.13@102.155,103.472
  Bottom Layer w0.6: X34.1@92.71,109.22 95.4,109.22 XP12.4@100.48,114.3
RX_DV: DD10.22 X6.3 XP10.12 | length 31.9
  Top Layer w0.2: DD10.22@39.525,24.697 39.525,33.429 42.926,36.83 XP10.12@43.18,36.83 43.18,37.592 44.45,38.862 44.45,48.26 46.99,50.8 X6.3@49.53,50.8
RXD1: DD9.3 R48.2 X19.1 | length 60
  Top Layer w0.3: X19.1@98.298,64.262 107.95,64.262 122.428,78.74 v1(128.27,78.74) ; v1(133.3,95.2) 133.3,93.442 133.35,93.392 v1(133.35,83.82)
  Bottom Layer w0.3: 127.635,78.74 v1(128.27,78.74) v1(133.35,83.82) ; R48.2@133.295,90.424 133.3,90.429 v1(133.3,95.2)
RXD2: DD11.3 R55.2 X27.3 | length 56.3
  Top Layer w0.3: DD11.3@100.885,93.472 100.885,90.631 v1(101.092,90.424)
  Bottom Layer w0.3: X27.3@52.578,87.884 53.34,87.884 55.88,90.424 55.88,91.948 57.658,93.726 97.481,93.726 100.783,90.424 v1(101.092,90.424)
SD_CS: R29.1 R35.2 XS2.1 XS3.2 | length 13.3
  Top Layer w0.6: R29.1@117.872,32.845 120.119,32.845 R35.2@120.396,33.122 120.689,32.829 v1(123.11,32.829)
  Bottom Layer w0.3: v1(123.11,32.829) 126.559,29.38 XS3.2@129.54,29.38
SD_MISO: R32.1 XS2.7 XS3.7 | length 15.3
  Top Layer w0.6: R32.1@117.856,19.558 119.635,17.779 XS2.7@123.11,17.779
  Bottom Layer w0.3: v1(123.19,17.78) 123.19,18.542 128.528,23.88 XS3.7@129.54,23.88
SD_MOSI: R30.1 XS2.2 XS3.3 | length 12.6
  Top Layer w0.6: R30.1@117.872,30.051 122.832,30.051 XS2.2@123.11,30.329
  Bottom Layer w0.3: v1(123.19,30.48) 125.39,28.28 XS3.3@129.54,28.28
SD_SCK: R31.1 XS2.5 XS3.5 | length 13
  Top Layer w0.6: R31.1@117.872,22.685 118.016,22.829 XS2.5@123.11,22.829
  Bottom Layer w0.3: v1(123.19,22.86) 126.41,26.08 XS3.5@129.54,26.08
TPRX+: DD10.31 R59.2 XS6.3 | length 22.8
  Top Layer w0.2: v1(26.67,18.288) 26.67,19.304 27.563,20.197 DD10.31@37.025,20.197
  Bottom Layer w0.2: R59.2@26.518,16.51 26.518,18.136 v1(26.67,18.288)
  Bottom Layer w0.4: XS6.3@18.542,16.51 20.066,14.986 24.994,14.986 R59.2@26.518,16.51
TPRX-: DD10.30 R60.2 XS6.6 | length 18
  Top Layer w0.2: v1(26.67,21.336) 27.309,20.697 DD10.30@37.025,20.697
  Top Layer w0.3: XS6.6@22.352,19.05 22.352,20.574 23.114,21.336 v1(23.368,21.336)
  Bottom Layer w0.3: v1(23.368,21.336) 24.892,22.86 R60.2@24.994,22.86 25.146,22.86 v1(26.67,21.336)
TPTX+: DD10.34 R57.2 XS6.1 | length 28.1
  Top Layer w0.2: XS6.1@16.002,16.51 16.002,15.494 17.272,14.224 25.908,14.224 30.381,18.697 DD10.34@37.025,18.697
  Bottom Layer w0.4: R57.2@13.36,19.05 13.462,19.05 XS6.1@16.002,16.51
TPTX-: DD10.33 R58.2 XS6.2 | length 29.3
  Top Layer w0.2: XS6.2@17.272,19.05 17.272,15.494 18.034,14.732 25.654,14.732 30.119,19.197 DD10.33@37.025,19.197
  Bottom Layer w0.6: R58.2@17.17,22.86 17.272,22.758 XS6.2@17.272,19.05
TX1+: DD9.11 R51.1 R53.1 XP11.1 | length 24.3
  Top Layer w0.6: DD9.11@137.08,103.472 137.08,110.664 140.716,114.3 XP11.1@141.175,114.3 144.018,111.457 R51.1@144.018,109.22
  Bottom Layer w0.6: XP11.1@141.175,114.3 141.175,109.523 R53.1@141.478,109.22
TX1-: DD9.12 R52.1 X33.1 XP11.2 | length 26.6
  Top Layer w0.6: v1(135.89,101.6) 135.81,101.68 DD9.12@135.81,103.472 135.81,111.705 XP11.2@138.405,114.3
  Bottom Layer w0.6: v1(135.89,101.6) 140.462,106.172 X33.1@144.272,106.172 ; R52.1@138.405,111.785 XP11.2@138.405,114.3
TX2+: DD11.11 R69.1 R71.1 XP12.1 | length 24.6
  Top Layer w0.6: DD11.11@104.695,103.472 104.695,110.537 108.458,114.3 XP12.1@108.79,114.3 111.252,111.838 R69.1@111.252,108.966
  Bottom Layer w0.6: XP12.1@108.79,114.3 108.79,109.396 R71.1@109.22,108.966
TX2-: DD11.12 R70.1 X35.2 XP12.2 | length 26.3
  Top Layer w0.6: v1(103.378,101.854) 103.425,101.901 DD11.12@103.425,103.472 103.425,111.705 XP12.2@106.02,114.3
  Bottom Layer w0.6: v1(103.378,101.854) 107.696,106.172 X35.2@111.76,106.172 ; XP12.2@106.02,114.3 106.172,114.148 R70.1@106.172,111.76
TXD1: DD9.6 X17.1 | length 61.2
  Top Layer w0.3: X17.1@94.742,64.262 96.012,65.532 107.442,65.532 121.92,80.01 135.128,80.01 137.08,81.962 DD9.6@137.08,93.472
TXD2: DD11.6 X25.3 | length 55.9
  Top Layer w0.3: DD11.6@104.695,93.472 v1(104.695,95.297) v1@104.902,95.504
  Bottom Layer w0.3: X25.3@52.578,91.186 53.848,91.186 57.15,94.488 103.886,94.488 v1(104.695,95.297)
USART2_ROUT1: DD7.12 X27.1 | length 18.4
  Top Layer w0.4: DD7.12@51.38,103.385 51.38,100.512 v1(52.07,99.822)
  Bottom Layer w0.4: X27.1@47.498,87.884 49.022,89.408 50.292,89.408 51.308,90.424 51.308,99.06 v1(52.07,99.822)
USART2_ROUT2: DD7.9 X28.1 | length 5.6
  Top Layer w0.4: X28.1@47.498,97.79 47.57,97.862 DD7.9@47.57,103.385
USART2_TIN1: DD7.11 X25.1 | length 13.3
  Top Layer w0.4: v1(49.784,99.822) 50.11,100.148 DD7.11@50.11,103.385
  Bottom Layer w0.4: X25.1@47.498,91.186 48.768,92.456 48.768,98.806 v1(49.784,99.822)
USART2_TIN2: DD7.10 X26.1 | length 9.4
  Top Layer w0.3: X26.1@47.498,94.488 48.84,95.83 48.784,95.886 DD7.10@48.784,103.329
USART3_ROUT1: DD6.12 X23.1 | length 65.1
  Top Layer w0.2: DD6.12@73.605,103.385 73.605,97.845 75.692,95.758 88.138,95.758 92.71,91.186 92.71,73.406 v1(93.98,72.136)
  Bottom Layer w0.2: v1(93.98,72.136) 96.52,69.596 96.52,57.912 X23.1@98.552,55.88
USART3_ROUT2: DD6.9 X24.1 | length 63.2
  Top Layer w0.2: DD6.9@69.795,103.385 69.795,96.267 73.098,92.964 85.544,92.964 88.9,89.608 v1(88.9,73.152)
  Bottom Layer w0.2: X24.1@87.63,55.88 88.9,57.15 v1(88.9,73.152)
USART3_TIN1: DD6.11 X21.1 | length 64.1
  Top Layer w0.2: DD6.11@72.335,103.385 72.335,97.319 74.658,94.996 87.104,94.996 91.44,90.66 v1(91.44,73.152)
  Bottom Layer w0.2: v1(91.44,73.152) 92.71,71.882 92.71,57.912 X21.1@94.742,55.88
USART3_TIN2: DD6.10 X22.1 | length 63.8
  Top Layer w0.2: DD6.10@71.065,103.385 71.065,96.793 73.878,93.98 86.324,93.98 90.17,90.134 v1(90.17,71.882) v1@89.916,71.628
  Bottom Layer w0.2: v1(90.17,71.882) 89.662,71.374 89.662,57.15 X22.1@90.932,55.88
VBAT: DD1.6 X10.2 | length 31.8
  Top Layer w0.2: X10.2@20.828,78.74 22.86,76.708 22.86,75.438 24.638,73.66 39.878,73.66 42.164,71.374 42.164,70.358 44.506,68.016 DD1.6@46.86,68.016
VBUS: C40.2 DD8.5 L6.1 R47.1 VT2.2 | length 18.8
  Top Layer w0.4: L6.1@48.006,13.208 48.548,13.75 51.054,13.75 ; DD8.5@50.988,15 51.054,14.934 51.054,13.75 ; C40.2@61.214,7.772 61.214,9.684 VT2.2@61.18,9.718 56.322,9.718 R47.1@54.864,11.176 54.61,11.176 53.086,12.7 53.086,13.462 52.798,13.75 51.054,13.75
VCC: C41.2 C43.2 DD6.16 X30.2 | length 9.1
  Top Layer w0.6: DD6.16@78.685,103.385 81.13,103.385 81.25,103.265 C43.2@81.25,100.33 ; C41.2@81.225,103.48 81.885,104.14 X30.2@84.502,104.14
VCC1: C42.2 C45.2 DD7.16 X31.2 | length 8.9
  Top Layer w0.6: DD7.16@56.46,103.385 58.905,103.385 C42.2@59,103.48 59,100.355 C45.2@59.025,100.33 X31.2@62.15,100.33
VCCIO: C25.2 C29.1 DD4.4 DD4.20 X29.2 XP7.13 XP7.15 | length 65
  Top Layer w0.3: X29.2@80.01,22.606 92.69,22.606 92.7,22.616 DD4.20@92.7,25 ; DD4.4@89.45,17.8 v1(89.45,12.76) C25.2@89.51,12.7
  Bottom Layer w0.3: X29.2@80.01,22.606 82.042,22.606 85.09,19.558 85.09,17.12 v1(89.45,12.76) 89.51,12.7 87.376,10.566 87.376,4.064 87.884,3.556 102.87,3.556 104.14,4.826 XP7.13@104.14,5.08 XP7.15@106.68,5.08
  other v1: 92.71,22.606
VDD_SD: C23.1 C24.1 L4.2 XS2.4 XS3.4 | length 16.2
  Top Layer w0.6: L4.2@114.554,25.432 117.363,25.432 C23.1@117.395,25.4 119.935,25.4 C24.1@120.57,24.765 121.134,25.329 XS2.4@123.11,25.329
  Bottom Layer w0.3: v1(123.19,25.4) 124.97,27.18 XS3.4@129.54,27.18
VIS1: C53.1 C54.2 C55.1 C56.1 DD9.10 DD9.15 R53.2 | length 18.5
  Top Layer w0.6: DD9.15@132,103.472 C53.1@132,106.172 C55.1@132,109.474 ; DD9.10@138.35,103.472 138.35,106.07 C54.2@138.452,106.172 C56.1@138.452,109.372
  Bottom Layer w0.6: v1(131.826,109.474) 132.08,109.22 R53.2@138.278,109.22
  other v1: 138.35,109.474
VIS2: C77.1 C78.2 C79.1 C80.1 DD11.10 DD11.15 R71.2 | length 18.4
  Top Layer w0.6: C79.1@99.488,109.474 C77.1@99.488,106.299 99.615,106.172 DD11.15@99.615,103.472 ; DD11.10@105.965,103.472 C80.1@105.965,108.966
  Bottom Layer w0.6: v1(99.568,109.22) 99.822,108.966 v1(106.274,108.966)
VUSB: C30.2 DD5.5 L5.1 X29.3 XS4.1 | length 19.9
  Top Layer w0.8: DD5.5@72.578,23.128 72.578,25.08 v1(72.644,25.146)
  Bottom Layer w0.6: 75.59,20.066 X29.3@80.01,20.066
  Bottom Layer w0.8: v1(72.644,25.146) 74.422,25.146 75.59,23.978 75.59,20.066 C30.2@75.59,17.78 75.59,14.092 XS4.1@75.488,13.99
pads on no net: DD1.73 DD2.5 DD3.5 DD4.8 DD4.19 DD4.24 DD4.27 DD4.28 DD5.4 DD5.6 DD10.27 XP1.11 XP3.4 XP3.5 XP3.6 XP6.3 XP6.4 XP7.4 XP8.1 XP9.1 XP11.10 XP11.11 XP12.10 XP12.11 XS1.0 XS2.0 XS3.0 XS3.1 XS3.8 XS5.MH1 XS5.MH2 XS6.0 XS6.7 ZQ2.0
copper on no net: | length 7.1
  Top Layer w1: 22.86,109.855 22.86,103.097 23.111,102.846

## Polygon pours and split planes (outlines as drawn)
GND on Top Layer "Bottom Layer-No Net" (solid, remove dead copper, pour order 6): 48.768,70.104 48.768,59.182 60.11,59.182 60.11,69.938 59.944,70.104
GND on Top Layer "Bottom Layer-No Net" (solid, remove dead copper, pour order 14): 5,106.6 5.08,106.52 5.08,12.7 5.08,10.795 12.7,3.175 139.7,3.175 142.875,3.175 149.225,9.525 149.225,98.425 86.995,98.425 85.725,99.695 85.725,121.92 20.32,121.92
GND1 on Bottom Layer "Bottom Layer-No Net" (solid, remove dead copper, pour order 8): 119.634,121.92 119.634,99.06 119.727,98.967 151.13,98.967 151.13,121.666 150.876,121.92 151.13,121.92
GND2 on Bottom Layer "Bottom Layer-No Net" (solid, remove dead copper, pour order 10): 87.884,122.174 87.884,99.06 118.11,99.06 118.11,121.92 117.856,122.174
GND on Bottom Layer "Bottom Layer-No Net" (solid, remove dead copper, pour order 16): 5,106.6 5.08,106.52 5.08,13.335 5.08,12.7 15.24,2.54 15.875,3.175 142.875,3.175 149.225,9.525 149.225,98.425 86.36,98.425 85.725,99.06 85.725,121.92 20.32,121.92

## Keep-outs
Keep-Out Layer:
  the board outline again, w0.3

## Other copper
Top Layer:
  pour cut-out: 33.02,15.24 33.02,3.81 46.355,3.81 46.355,15.24
  pour cut-out: 69.85,57.785 69.85,54.61 81.28,43.18 104.14,43.18 104.14,52.07 98.425,57.785
  pour cut-out: 61.595,50.8 61.595,43.815 73.025,43.815 73.025,50.8
Bottom Layer:
  pour cut-out: 30.48,64.77 30.48,78.74 44.704,78.74 44.704,71.628 44.77,65.016
  pour cut-out: 47.952,73.707 48.26,73.399 48.26,44.45 64.77,44.45 65.278,44.958 65.278,73.66

## Silkscreen, mask and mechanical layers (free items; w line width, h text height)
Mechanical 1:
  the board outline again, w0.5

## Text inside footprints (layer, text, board x,y; h text height)
XP11: Top Overlay "5" at 126.697,113.538 h1.5; Top Overlay "1" at 143.715,113.792 h1.5; Top Overlay "6." at 138.938,119.38 h1.5; Top Overlay "9." at 130.81,119.38 h1.5
XP12: Top Overlay "5" at 94.312,113.792 h1.5; Top Overlay "1" at 111.33,113.792 h1.5; Top Overlay "6." at 107.012,118.872 h1.5; Top Overlay "9." at 98.63,118.872 h1.5